# Altium PCB HYDRA_V4_NAV.PcbDoc (part 2 of 2) (continued)
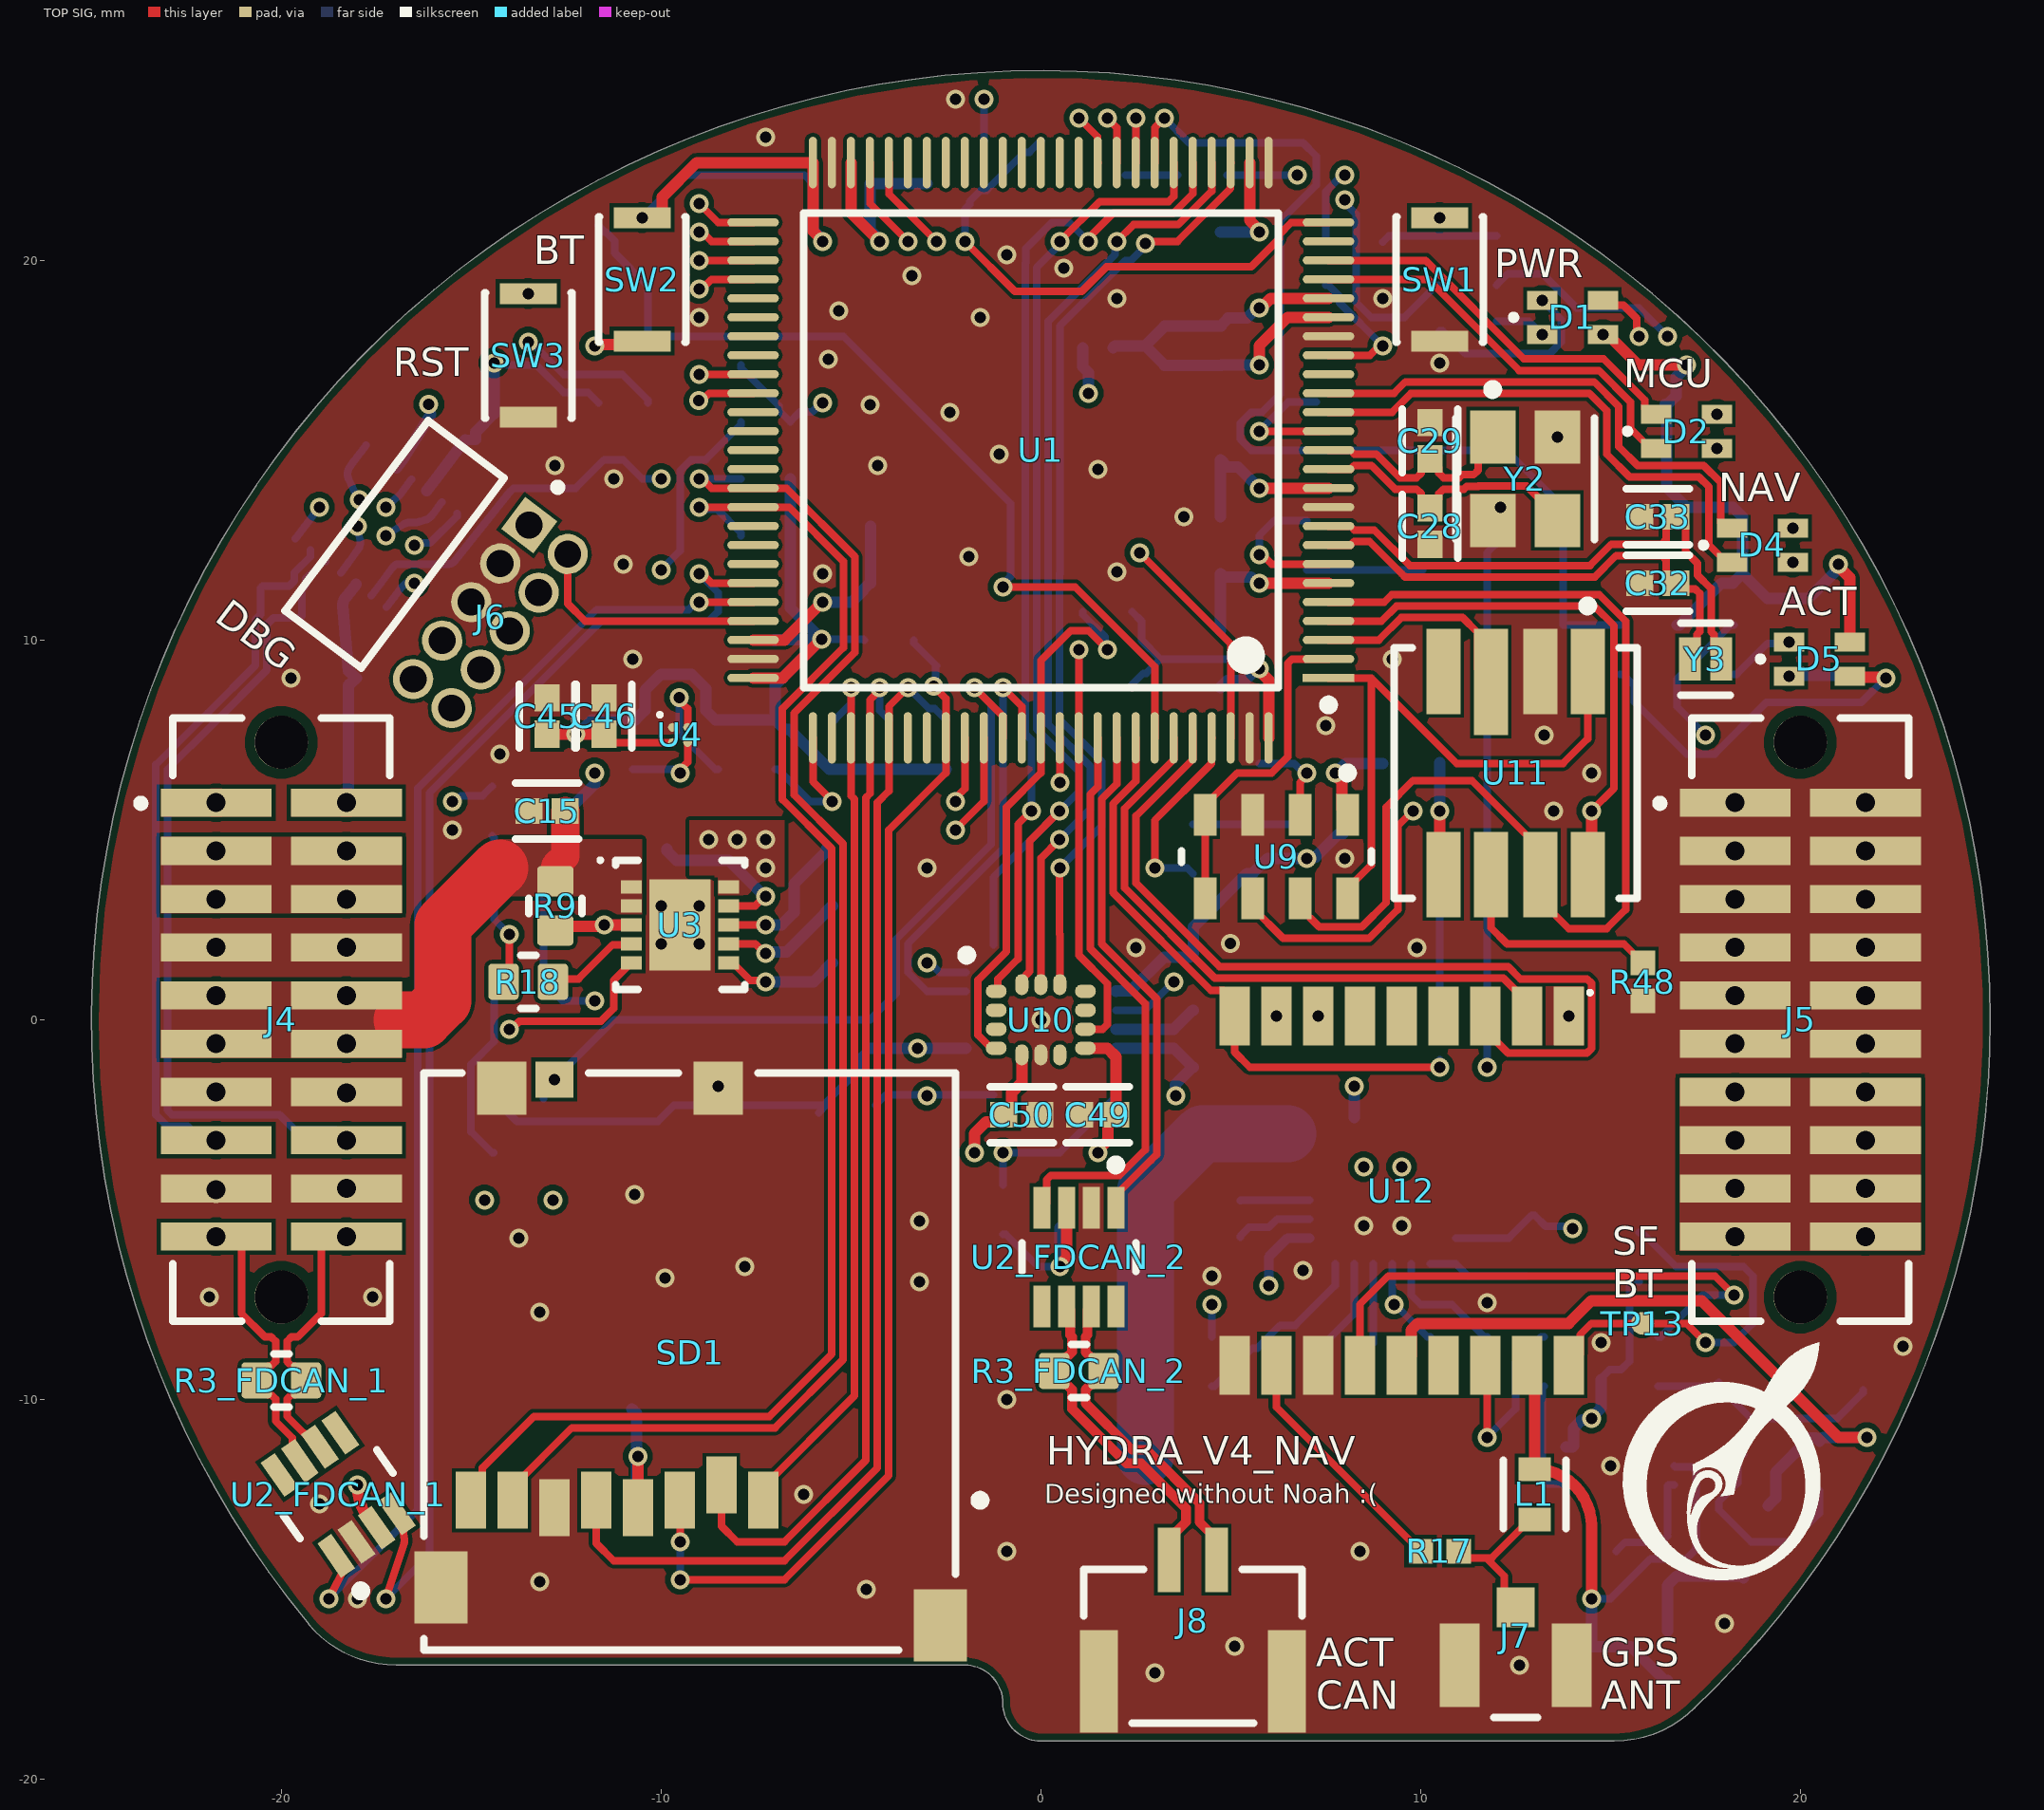
[diagram p0: TOP SIG view]
## Nets (pads, with @x,y where several pads share a name; then routed paths per layer and width w, separated by ;. In a path a pad name is that pad's centre, name@x,y a point inside that pad or via, vN(x,y) a via of type N, cw(c..) or ccw(c..) an arc to the next point about the centre after c; other vN are vias at no path point) (continued)
NetQ10_1: Q10.1 R39.1 R41.1 | length 6.2
  BOTTOM SIG w0.2: R39.1@16.25,-9.65 17.75,-9.65 Q10.1@17.85,-9.55 17.85,-9.65 18.698,-10.498 20.977,-10.498 21.65,-9.825 R41.1@21.65,-9.75
NetQ17_1: Q17.1 R18.1 R20.1 | length 4.1
  TOP SIG w0.2: R18.1@-14.15,1 -14,1.15 v1(-14,2.25)
  BOTTOM SIG w0.2: Q17.1@-14.45,4.85 -14.4,4.8 R20.1@-14.4,3.5 -14.4,2.65 v1(-14,2.25)
NetR7_2: R7.2 U6.9 | length 37.7
  PWR+SIG w0.2: v1(-10,14.25) -9.943,14.307 -9.943,14.557 -6.4,18.1 -6.4,20.7 -5.5,21.6 v1(8,21.6)
  BOTTOM SIG w0.2: U6.9@-17.63,11.166 -17.395,11.476 -17.06,11.92 cw(c-16.9,11.8) -16.9,12 -15.596,12 ccw(c-15.596,12.2) -15.44,12.075 -13.96,13.925 -13.885,14 -12.25,14 -11.5,14.75 -11,14.75 -10.5,14.25 v1(-10,14.25) ; v1(8,21.6) 8,21.519 8.3,21.219 8.3,18.9 8.7,18.5 9.575,18.5 10.425,19.35 R7.2@10.5,19.35
NetR9_2: R9.2 R12.1 U3.3 | length 2.1
  TOP SIG w0.3: R9.2@-12.785,2.35 -12.673,2.462 -11.538,2.462 v1(-11.5,2.5) U3.3@-10.785,2.5
NetR10_2: R10.2 R16.1 U1.25 | length 14.6
  TOP SIG w0.2: v1(-2,20.5) -0.683,19.183 1.083,19.183 1.735,19.835 5.542,19.835 6.277,20.57 6.277,20.68 6.598,21 U1.25@7.575,21
  BOTTOM SIG w0.2: v1(-2,20.5) -2,21.35 -1.875,21.475 -1.875,21.55 -1.575,21.85 -1.425,21.85 -0.425,22.85 -0.3,22.85 R16.1@0,23.15
NetR13_1: R13.1 U3.8 | length 3.9
  TOP SIG w0.2: U3.8@-8.215,2.5 v1(-7.25,2.5)
  BOTTOM SIG w0.3: v1(-7.25,2.5) -6.825,2.5 -6.5,2.825 -6.5,3.575 -5.65,4.425 R13.1@-5.65,4.5
NetR14_1: R14.1 U1.34 U3.9 | length 31
  TOP SIG w0.2: U3.9@-8.215,3 -7.518,3 -7.268,3.25 v1(-7.25,3.25) ; v1(1.75,23.75) 1.75,23.744 2,23.494 U1.34@2,22.575
  GND w0.2: v1(-7.25,3.25) -6.25,3.25 -2.25,7.25 -1,7.25 0,8.25 0,20.707 1.244,21.951 1.244,23.244 v1(1.75,23.75)
  BOTTOM SIG w0.3: R14.1@-9.85,4.5 -9.85,4.448 -9.6,4.198 -8.226,4.198 -7.278,3.25 v1(-7.25,3.25)
NetR21_2: R21.2 R36.1 U1.18 | length 3.8
  TOP SIG w0.2: U1.18@7.575,17.5 8.669,17.5 8.919,17.75 v1(9,17.75)
  BOTTOM SIG w0.2: R21.2@7.5,19.35 7.57,19.35 7.87,19.05 7.87,18.88 v1(9,17.75)
NetR26_1: R26.1 SW2.1 | length 1.3
  TOP SIG w0.3: v1(-11.75,17.75) -11.712,17.788 -10.587,17.788 SW2.1@-10.5,17.875
NetR27_1: R27.1 SW3.1
  other v1: -13.5,19.125
NetR45_1: R45.1 U13.4 | length 3.2
  BOTTOM SIG w0.2: R45.1@13.25,-9.65 13.2,-9.7 13.2,-12.1 13.325,-12.225 13.8,-12.225 U13.4@13.825,-12.25
NetR48_1: R48.1 U11.6 | length 5.8
  TOP SIG w0.2: U11.6@11.85,3.825 11.85,2.426 12.277,1.998 15.125,1.998 15.127,2 15.35,2 R48.1@15.85,1.5
NetR51_2: R51.2 R53.1 U1.32 | length 28
  TOP SIG w0.2: U1.32@3,22.575 3,23.494 3.25,23.744 v1(3.25,23.75)
  BOTTOM SIG w0.2: v1(3.25,23.75) 3.904,23.096 6.904,23.096 7.25,22.75 7.25,21.984 6.3,21.034 6.3,16.477 5.823,16 5.543,16 5.25,15.707 5.25,15.293 5.543,15 12.25,15 13.75,13.5 R53.1@13.75,10.4 R51.2@15.25,10.4
NetR55_2: R55.2 R57.1 U14.12 | length 4.9
  BOTTOM SIG w0.2: R55.2@4.5,-9.65 4.575,-9.65 5.575,-8.65 5.7,-8.65 R57.1@6,-8.35 6.3,-8.05 6.7,-8.05 7.75,-7 U14.12@7.75,-6.425
NetR58_1: R58.1 U14.8 | length 3.3
  BOTTOM SIG w0.2: U14.8@9.75,-6.425 9.75,-7.25 10,-7.5 10.825,-7.5 11.675,-8.35 R58.1@11.75,-8.35
NetR61_1: R61.1 U1.7 | length 3.8
  TOP SIG w0.2: v1(5.75,12.25) 5.831,12.25 6.081,12 U1.7@7.575,12
  BOTTOM SIG w0.2: v1(5.75,12.25) 5.75,12.75 6.15,13.15 R61.1@7,13.15
NetR66_2: R66.2 TP13.1 U12.18 | length 10.7
  TOP SIG w0.2: U12.18@13.9,-9.1 14.2,-8.8 14.2,-8.3 14.5,-8 TP13.1@15.85,-8 17,-8 v1(17.5,-8.5)
  BOTTOM SIG w0.2: R66.2@15.75,-5.6 15.825,-5.6 16.725,-6.5 18.5,-6.5 18.75,-6.75 18.75,-8 18.25,-8.5 v1(17.5,-8.5)
NetR67_2: R67.2 R68.1 U1.35 | length 14.9
  TOP SIG w0.2: v1(1,23.75) 1.498,23.252 1.498,22.578 U1.35@1.5,22.575
  GND w0.2: v1(-5.75,16.25) -5.693,16.307 -5.443,16.307 0.943,22.693 0.943,23.693 v1(1,23.75)
  BOTTOM SIG w0.2: R68.1@-7.9,17.25 -7.9,17.175 -6.9,16.175 -6.9,16.05 R67.2@-6.6,15.75 -6.342,16.008 -6.017,16.008 -5.775,16.25 v1(-5.75,16.25)
NetR82_2: R82.2 U9.2 | length 2.5
  TOP SIG w0.2: U9.2@6.825,5.4 6.825,6.244 7,6.419 v1(7,6.5)
  BOTTOM SIG w0.2: R82.2@5.75,6.75 6.669,6.75 6.919,6.5 v1(7,6.5)
NetU1_17: U1.17
NetU1_24: U1.24
NetU1_36: U1.36
NetU1_37: U1.37
NetU1_38: U1.38
NetU1_39: U1.39
NetU1_40: U1.40
NetU1_41: U1.41
NetU1_42: U1.42
NetU1_43: U1.43
NetU1_44: U1.44
NetU1_45: U1.45
NetU1_51: U1.51 U6.14 | length 16.1
  TOP SIG w0.2: v1(-9,21.5) -8.5,21 U1.51@-7.575,21
  GND w0.2: v1(-19,13.5) -19,13.581 -18.802,13.78 -18.802,13.979 -18.181,14.6 -15.9,14.6 v1(-9,21.5)
  BOTTOM SIG w0.2: U6.14@-19.627,12.671 -19.392,12.98 v1(-19,13.5)
NetU1_52: U1.52 U6.8 | length 18.6
  TOP SIG w0.2: v1(-9,20.75) -8.919,20.75 -8.669,20.5 U1.52@-7.575,20.5
  GND w0.2: v1(-16.5,11.5) -16.419,11.5 -16,11.919 -16,12.367 -13.175,15.192 -8.508,15.192 -7.9,15.8 -7.9,19.65 v1(-9,20.75)
  BOTTOM SIG w0.2: U6.8@-17.23,10.865 -17.025,11.135 -16.84,11.381 ; -16.839,11.381 -16.724,11.497 -16.503,11.497 v1(-16.5,11.5)
NetU1_53: U1.53 U6.6 | length 18
  TOP SIG w0.2: v1(-9,20) U1.53@-7.575,20
  GND w0.2: v1(-17.25,12.75) -17.244,12.75 -16.6,13.394 -15.4,13.394 -13.3,15.494 -8.633,15.494 -8.202,15.925 -8.202,19.202 v1(-9,20)
  BOTTOM SIG w0.2: v1(-17.25,12.75) -16.773,13.053 cw(c-16.613,12.8) -16.613,13.1 -16.449,13.1 ccw(c-16.449,13.4) -16.354,13.115 -16.188,13.171 ccw(c-16.283,13.455) -16.044,13.274 U6.6@-15.773,13.63
NetU1_54: U1.54 U6.11 | length 15.7
  TOP SIG w0.2: v1(-9,19.25) -8.919,19.25 -8.669,19.5 U1.54@-7.575,19.5
  GND w0.2: v1(-18,13) -18.5,13.5 -18.5,13.854 -18.056,14.298 -15.775,14.298 -13.675,16.398 -11.852,16.398 v1(-9,19.25)
  BOTTOM SIG w0.2: U6.11@-18.429,11.768 -18.227,12.04 -17.975,12.394 ccw(c-18.22,12.568) -17.925,12.627 v1(-18,13)
NetU1_55: U1.55
NetU1_56: U1.56
NetU1_57: U1.57
NetU1_58: U1.58
NetU1_59: U1.59 U6.4 | length 13.4
  TOP SIG w0.2: v1(-8.996,16.996) -8.995,16.998 -8.149,16.998 -8.147,17 U1.59@-7.575,17
  GND w0.2: v1(-17.25,13.497) -17.193,13.554 -16.866,13.554 -16.725,13.695 -15.525,13.695 -13.425,15.795 -8.758,15.795 -8.503,16.05 -8.503,16.503 v1(-8.996,16.996)
  BOTTOM SIG w0.2: v1@-17.25,13.5 -16.924,13.779 ccw(c-17.12,14.007) -16.881,13.825 U6.4@-16.571,14.232 ; v1(-17.25,13.497) v1@-17.25,13.5
NetU1_60: U1.60 U6.1 | length 13.2
  TOP SIG w0.2: v1(-9.01,16.303) -8.929,16.303 -8.732,16.5 U1.60@-7.575,16.5
  GND w0.2: v1(-17.948,13.698) -17.867,13.698 -17.569,13.997 -15.65,13.997 -13.55,16.097 -9.277,16.097 -9.071,16.303 v1(-9.01,16.303)
  BOTTOM SIG w0.2: -18.095,14.707 ccw(c-17.855,14.526) -18.105,14.692 -18.207,14.54 ccw(c-17.957,14.373) -18.23,14.249 -18,13.75 v1(-17.948,13.698) ; -18.094,14.707 U6.1@-17.77,15.135
NetU1_61: U1.61
NetU1_62: U1.62
NetU1_63: U1.63
NetU1_64: U1.64
NetU1_67: U1.67
NetU1_68: U1.68
NetU1_69: U1.69
NetU1_70: U1.70 U2_FDCAN_1.4 | length 36.4
  TOP SIG w0.2: v1(-17.25,-15.25) -16.766,-13.797 ccw(c-16.955,-13.734) -16.758,-13.701 -16.8,-13.446 U2_FDCAN_1.4@-16.956,-13.006 ; v1(-9,11.75) -8.919,11.75 -8.669,11.5 U1.70@-7.575,11.5
  BOTTOM SIG w0.2: v1(-17.25,-15.25) -16.1,-14.1 -16.1,5.973 -11.575,10.498 -8.752,10.498 -8.5,10.75 -8.5,11.25 v1(-9,11.75)
NetU1_71: U1.71 U2_FDCAN_1.1 | length 34.4
  TOP SIG w0.2: v1(-18.75,-15.25) -18.397,-14.564 U2_FDCAN_1.1@-18.553,-14.124 ; v1(-9,11) U1.71@-7.575,11
  BOTTOM SIG w0.2: v1(-18.75,-15.25) -16.402,-12.902 -16.402,6.098 -11.7,10.8 -9.267,10.8 -9.067,11 v1(-9,11)
NetU1_77: U1.77
NetU1_81: U1.81
NetU1_82: U1.82
NetU1_91: U1.91 U2_FDCAN_2.4 | length 15.2
  TOP SIG w0.2: U2_FDCAN_2.4@0.025,-4.95 0.15,-4.825 0.15,-4.217 0.267,-4.1 2.073,-4.1 2.75,-3.423 2.75,0.423 1.305,1.869 1.305,5.938 1.5,6.133 U1.91@1.5,7.425
NetU1_92: U1.92 U2_FDCAN_2.1 | length 13.6
  TOP SIG w0.2: U2_FDCAN_2.1@1.975,-4.95 1.975,-4.625 2.9,-3.7 3.052,-3.548 3.052,0.548 1.606,1.994 1.606,5.813 2,6.206 U1.92@2,7.425
NetU2_FDCAN_1_5: U2_FDCAN_1.5
NetU2_FDCAN_1_8: U2_FDCAN_1.8
NetU2_FDCAN_2_5: U2_FDCAN_2.5
NetU2_FDCAN_2_8: U2_FDCAN_2.8
nSHDN: D3.1 R4.1 R8.2 U3.5 | length 9.4
  TOP SIG w0.2: v1(-14,-0.25) -13.938,-0.25 -13.733,-0.044 -11.587,-0.044 -11.25,0.293 -11.25,1.035 U3.5@-10.785,1.5
  BOTTOM SIG w0.2: D3.1@-14.41,-3.5 -14.45,-3.5 -15.002,-2.948 -15.002,-1.177 -14.4,-0.575 R8.2@-14.4,-0.5 R4.1@-14.4,1
PG: R54.2 R60.2 U1.98 U14.13 | length 49.6
  TOP SIG w0.2: v1(2.6,12.3) 5,9.9 U1.98@5,7.425
  GND w0.2: v1(2.6,12.3) 4.9,10 15,10 v1(17.5,7.5)
  PWR+SIG w0.2: v1(6,-7) 6,-3.2 9.497,0.297 12.35,0.297 16.703,4.65 16.703,6.703 v1(17.5,7.5)
  BOTTOM SIG w0.2: v1(17.5,7.5) 16.75,8.25 16.75,8.975 18.175,10.4 R60.2@18.25,10.4
  BOTTOM SIG w0.25: v1(6,-7) 6,-6.25 6.5,-5.75 U14.13@7.075,-5.75
PRE_3V3: C15.1 J1.09 J1.10 J1.11 J1.12 J4.09 J4.10 J4.11 J4.12 R9.1 U3.1 U3.2 | length 7
  TOP SIG w0.75: -12.785,4.05 -12.521,4.314 C15.1@-12.521,5.5
  TOP SIG w1.5: -16.825,0 -16.25,0 -15.75,0.5 -15.75,2.5 -14.25,4
  other v2: -21.715,-0.635 -18.285,-0.633 -21.715,0.635 -18.285,0.635
PRE_5V: F2.1 J1.03 J1.04 J1.05 J1.06 J4.03 J4.04 J4.05 J4.06 | length 10.1
  GND w0.5: v2(-18.285,3.175) -17.195,3.175 -14.65,0.63 v1(-14.65,-4.75)
  other v2: -21.715,3.175 -21.715,4.445 -18.285,4.445
PRE_ZENER_CAN_INH: R4.2 R20.2 U6.7 | length 22.8
  PWR+SIG w0.2: v1@-16.507,12.493 -18.885,10.115 -18.885,5.43 -18.5,5.045 -18.036,5.045 -13.491,0.5 v1(-11.75,0.5)
  BOTTOM SIG w0.2: v1(-16.5,12.5) -16.443,12.557 -16.079,12.557 -15.373,13.263 U6.7@-15.373,13.329 ; R4.2@-13.1,0.925 -12.8,0.625 -12.725,0.625 -12.6,0.5 v1(-11.75,0.5) ; R4.2@-13.1,1 R20.2@-13.1,3.5
PWR_EN: Q2.3 R52.2 R55.1 U14.6 | length 34.3
  PWR+SIG w0.2: v1(4.5,-7.5) 5.3,-8.3 7,-8.3 9.1,-6.2 13.3,-6.2 v1(14,-5.5) 11.75,-3.25 v1(11.75,-1.25)
  BOTTOM SIG w0.2: R55.1@4.5,-8.35 v1(4.5,-7.5) ; U14.6@10.925,-5.75 12.325,-5.75 12.925,-5.15 R52.2@13,-5.15 13.293,-5.443 13.943,-5.443 v1(14,-5.5) ; v1(11.75,-1.25) 11.75,12.3 Q2.3@11.95,12.5
PYRO_PWR: F1.1 J2.13 J2.14 J2.15 J2.16 J2.17 J2.18 J2.19 J2.20 J5.13 J5.14 J5.15 J5.16 J5.17 J5.18 J5.19 J5.20
  other v2: 18.285,-5.715 21.715,-5.715 18.285,-4.445 21.715,-4.445 18.285,-3.175 21.715,-3.175 18.285,-1.905 21.715,-1.905
RESETN: C31.1 J6.10 R27.2 R29.1 U1.14 | length 44
  TOP SIG w0.2: v1(5.75,15.5) U1.14@7.575,15.5
  PWR+SIG w0.2: J6.10@-15.514,8.207 -15.532,8.19 -16.94,8.19 -17.376,8.626 -17.376,9.624 -15.9,11.1 -15.9,12.35 -14.95,13.3 -14.95,17.65 -14.75,17.85 -12.75,17.85 -10.5,15.6 -10.5,14.043 -10.207,13.75 -9.793,13.75 -9.5,14.043 -9.5,14.573 -8.573,15.5 v1(5.75,15.5)
  BOTTOM SIG w0.2: v1(-13.5,17.85) -13.425,17.85 -13.125,17.55 -12.575,17 -11.025,17 -10.35,16.325 R29.1@-10.35,16.25 ; v1(5.75,15.5) 6.521,16.271 C31.1@7.25,16.271
RF_IN: R17.2 U12.11 | length 6.5
  TOP SIG w0.199: U12.11@6.2,-9.1 6.2,-10.2 R17.2@10,-14
RXD: U1.96 U12.3 | length 22.9
  TOP SIG w0.2: U1.96@4,7.6 4,6.853 2.511,5.364 2.511,3.592 4.703,1.4 12.302,1.4 12.625,1.077 14.384,1.077 14.502,0.959 14.502,-0.759 14.384,-0.877 12.302,-0.877 11.7,-0.275 U12.3@11.7,0.1
SD_CD: R35.2 SD1.9 U1.86 | length 21
  TOP SIG w0.2: v1(-1.75,8.75) -1.75,8.748 -1,7.998 U1.86@-1,7.425
  BOTTOM SIG w0.2: R35.2@-13.1,-2.075 R35.2@-13.1,-2 R35.2@-13.087,-1.987 ; v1(-12.81,-1.575) -11.235,0 -4.5,0 -3.802,0.698 -3.802,2.125 -1.302,4.625 -1.302,8.302 v1(-1.75,8.75)
SD_CLK: R24.2 SD1.5 U1.80 | length 32
  TOP SIG w0.2: SD1.5@-11.71,-12.66 -11.71,-13.79 -11.25,-14.25 -6.75,-14.25 -4.303,-11.803 -4.303,5.723 -4,6.027 U1.80@-4,7.425 -4,8.25 v1(-3.5,8.75)
  BOTTOM SIG w0.2: v1(-3.5,8.75) -2.95,8.2 -2.8,8.2 R24.2@-2.5,7.9
SD_CMD: R23.2 SD1.3 U1.83 | length 31.8
  TOP SIG w0.2: SD1.3@-9.51,-12.66 -9.5,-12.67 v1(-9.5,-13.75) ; v1(-9.5,-14.75) -6.75,-14.75 -4.002,-12.002 -4.002,4.998 -2.5,6.5 -2.5,8.457 v1(-2.821,8.779)
  BOTTOM SIG w0.2: v1(-9.5,-14.75) v1(-9.5,-13.75) ; R23.2@-3.35,10 -3.35,9.925 -2.75,9.325 -2.764,9.311 -2.764,8.836 v1(-2.821,8.779)
SD_DAT0: R31.2 SD1.7 U1.65 | length 38.8
  TOP SIG w0.2: SD1.7@-13.91,-12.66 -13.91,-12.31 -12.35,-10.75 -7,-10.75 -5.208,-8.958 -5.208,4.635 -6.5,5.927 -6.5,8.073 -4.898,9.675 -4.898,12.198 -6.7,14 U1.65@-7.575,14 -8.669,14 -8.919,14.25 v1(-9,14.25)
  BOTTOM SIG w0.2: v1(-9,14.25) R31.2@-7.9,14.25
SD_DAT1: R32.2 SD1.8 U1.66 | length 39.3
  TOP SIG w0.2: SD1.8@-15.01,-12.66 -14.71,-12.36 -14.71,-11.81 -13.348,-10.448 -7.148,-10.448 -5.51,-8.81 -5.51,4.51 -6.802,5.802 -6.802,8.198 -5.2,9.8 -5.2,12.073 -6.627,13.5 U1.66@-7.575,13.5 v1(-9,13.5)
  BOTTOM SIG w0.2: v1(-9,13.5) -8.943,13.443 -8.518,13.443 -7.9,12.825 R32.2@-7.9,12.75
SD_DAT2: R33.2 SD1.1 U1.78 | length 23.5
  TOP SIG w0.2: SD1.1@-7.31,-12.66 -7.31,-12.31 -4.906,-9.906 -4.906,5.806 -5,5.9 U1.78@-5,7.425 v1(-5,8.75)
  BOTTOM SIG w0.2: R33.2@-5.5,7.9 -5.425,7.9 -5,8.325 v1(-5,8.75)
SD_DAT3: R34.2 SD1.2 U1.79 | length 27.4
  TOP SIG w0.2: SD1.2@-8.41,-12.26 -8.41,-13.34 -8,-13.75 -6.75,-13.75 -4.605,-11.605 -4.605,5.848 -4.5,5.953 U1.79@-4.5,7.425 -4.5,8.419 -4.25,8.669 v1(-4.25,8.75)
  BOTTOM SIG w0.2: v1(-4.25,8.75) -4.25,8.15 R34.2@-4,7.9
SWCLK: J6.04 R2.2 U1.76 | length 13.7
  TOP SIG w0.2: U1.76@-6,7.425 -6,6.267 -5.5,5.767 v1(-5.5,5.75)
  PWR+SIG w0.2: J6.04@-13.221,11.25 -11,11.25 v1(-5.5,5.75)
  BOTTOM SIG w0.2: R2.2@-7,6.6 -6.925,6.6 -6.075,5.75 v1(-5.5,5.75)
SWDIO: J6.02 U1.72 | length 6.4
  TOP SIG w0.2: J6.02@-12.457,12.264 -12.457,10.957 -12,10.5 U1.72@-7.575,10.5
SWO: J6.06 U1.89 | length 18.8
  TOP SIG w0.2: v1(0.5,6.25) U1.89@0.5,7.425
  PWR+SIG w0.2: J6.06@-13.986,10.236 -10.486,10.236 -6,5.75 -6,5.5 -5.75,5.25 -5.25,5.25 -3.6,6.9 -1.7,6.9 -1.05,6.25 v1(0.5,6.25)
TCAN1146_5V: C22.1 F2.2 R10.1 U6.3 | length 48.1
  GND w0.2: v1(-16.118,16.212) -16.118,16.289 -14.057,18.35 -12.6,18.35 -11,19.95 -11,21.332 -10.332,22 -3.75,22 v1(-1.5,24.25)
  GND w0.5: v1(-16.118,16.212) -17.207,16.212 -19.65,13.769 -19.65,11.71 -19.1,11.16 -19.1,9.1 -16.75,6.75 -16.75,3.75 -13.35,0.35 -13.35,-0.85 -13.75,-1.25 -13.75,-3.85 v1(-12.85,-4.75)
  BOTTOM SIG w0.2: R10.1@-1.5,23.15 v1(-1.5,24.25)
  BOTTOM SIG w0.3: U6.3@-16.971,14.533 -16.769,14.805 -16.064,15.938 v1(-16.118,16.212)
TCAN1146_VSUP: C24.1 J1.01 J1.02 J4.01 J4.02 Q17.2 R6.2 R67.1 U6.10 | length 81.1
  GND w0.2: v1(-15.5,5.75) -14.793,5.75 -11.25,9.293 -11.25,10.6 v1(-10,11.85)
  PWR+SIG w0.2: v2(-18.285,5.715) -18.267,5.733 -15.518,5.733 -15.5,5.715 -11.615,5.715 -11.198,5.298 -6.698,5.298 -6,4.6 -5,4.6 -3.303,6.297 -1.95,6.297 -1.1,5.447 -1.1,3.5 2.252,0.148 3.948,0.148 4.4,0.6 7.507,0.6 7.509,0.598 12.225,0.598 16.402,4.775 16.402,17.733 16.443,17.774 16.443,17.943 v1(16.5,18)
  BOTTOM SIG w0.2: v1(-15.5,5.75) -15.419,5.75 -15.269,5.9 -14.7,5.9 Q17.2@-14.45,6.15 ; v1(-10,11.85) -9.5,12.35 -9.5,14.457 -9.207,14.75 -8.825,14.75 -7.9,15.675 R67.1@-7.9,15.75 ; R6.2@12,19.35 12.3,19.65 13.207,19.65 14.107,18.75 15.75,18.75 v1(16.5,18)
  BOTTOM SIG w0.3: v2(-18.285,5.715) -18.229,5.935 -18.229,8.814 C24.1@-18.021,9 -18.229,9.186 -18.379,10.895 cw(c-18.08,10.921) -18.315,11.108 U6.10@-18.029,11.467
  other v2: -21.715,5.715
TXD: U1.95 U12.2 | length 16.7
  TOP SIG w0.2: U1.95@3.5,7.425 3.5,6.853 2.21,5.563 2.21,3.467 4.578,1.098 12.177,1.098 12.8,0.475 U12.2@12.8,0.1
VCC_RF: Q9.2 R37.1 U12.14 | length 18.6
  TOP SIG w0.3: U12.14@9.5,-9.1 9.75,-8.85 9.75,-8.176 9.926,-8 13.9,-8 14.5,-7.4 17.4,-7.4 21,-11 v1(21.75,-11)
  BOTTOM SIG w0.3: Q9.2@19.15,-12.8 19.35,-12.6 19.35,-11.925 20.256,-11.019 20.419,-11.019 R37.1@20.5,-11.1 20.6,-11 v1(21.75,-11)
VDDA: C10.1 C11.1 C20.1 C21.1 FB1.2 U1.20 U1.21 | length 12.1
  TOP SIG w0.3: v1(5.75,17.25) 5.75,17.75 6.5,18.5 U1.20@7.575,18.5 ; v1(5.75,18.75) 5.804,18.75 6.054,19 U1.21@7.575,19
  BOTTOM SIG w0.3: FB1.2@1.9,17.7 1.95,17.75 2.75,17.75 ; v1(5.75,17.25) 5.739,17.239 4.761,17.239 C21.1@4.75,17.229 C20.1@3.25,17.229 3.25,17.25 2.75,17.75 ; v1(5.75,18.75) 5.696,18.75 5.425,18.479 4.936,18.479 4.75,18.293 C11.1@4.75,18.271 C10.1@3.25,18.271 3.25,18.25 2.75,17.75
X32_N: C33.1 U1.9 Y3.2 | length 14.6
  TOP SIG w0.2: U1.9@7.575,13 8.15,13 8.249,12.901 8.776,12.901 9.714,11.962 14.462,11.962 15.026,12.526 16.354,12.526 16.471,12.643 16.471,13.014 16.707,13.25 C33.1@16.729,13.25 16.75,13.25 16.986,13.014 16.986,12.329 17.296,12.019 17.296,11.707 17.651,11.352 17.651,10.218 17.725,10.144 17.725,9.687 Y3.2@17.913,9.5
X32_P: C32.1 U1.8 Y3.1 | length 13.1
  TOP SIG w0.2: U1.8@7.575,12.5 8.15,12.5 8.249,12.599 8.651,12.599 9.5,11.75 9.589,11.661 14.587,11.661 15.151,12.224 16.354,12.224 16.471,12.107 16.471,11.736 16.707,11.5 C32.1@16.729,11.5 16.848,11.619 16.848,11.482 16.986,11.344 17.232,11.344 17.349,11.227 17.349,10.218 17.275,10.144 17.275,9.687 Y3.1@17.087,9.5
X_N: C29.1 U1.13 Y2.1 | length 5.9
  TOP SIG w0.2: U1.13@7.575,15 8.15,15 8.249,14.901 8.829,14.901 9.454,14.276 9.897,14.276 10.014,14.393 10.014,14.535 C29.1@10.25,14.771 10.486,14.535 10.486,14.393 10.603,14.276 11.014,14.276 11.092,14.353 11.397,14.353 11.514,14.47 11.514,14.964 Y2.1@11.9,15.35
X_P: C28.1 U1.12 Y2.3 | length 7.4
  TOP SIG w0.2: U1.12@7.575,14.5 8.15,14.5 8.249,14.599 8.704,14.599 9.329,13.974 9.897,13.974 10.014,13.857 10.014,13.715 C28.1@10.25,13.479 10.486,13.715 10.486,13.857 10.603,13.974 11.139,13.974 11.216,14.052 11.522,14.052 11.527,14.057 12.793,14.057 13.6,13.25 Y2.3@13.6,13.15
pads on no net: J1. J2. J4. J5. J6.07 J6.08 J6.09 U8.6 U8.13 U8.19 U8.21 U10.2 U10.3 U10.7 U10.10 U10.11 U11.4 U12.4 U12.5 U12.6 U12.15 U13.1

## Polygon pours and split planes (outlines as drawn)
GND on TOP SIG "GND_L01_P023" (solid, remove dead copper, pour order 23): -16.98,-17 -1.95,-17 -2,-17 cw(c-2,-18) -1,-18 ccw(c0,-18) 0,-19 15.1,-19 ccw(c15.1,-16) 17.221,-18.121 17.166,-18.175 ccw(c0,0) 25,0 ccw(c0,0) -19.273,-15.924 -19.278,-15.928 ccw(c-16.98,-14)
3V3 on TOP SIG "3V3_L01_P022" (solid, remove dead copper, pour order 22): -7.75,3.25 -7.5,3.5 -6.75,3.5 -6.75,5.25 -9.25,5.25 -9.25,3.75 -8.5,3.75 -8.5,3.25
TCAN1146_VSUP on TOP SIG "TCAN1146_VSUP_L01_P030" (solid, remove dead copper, pour order 30): -23.175,6.085 -23.175,5.345 -16.825,5.345 -16.825,6.085
PYRO_PWR on TOP SIG "PYRO_PWR_L01_P000" (solid, remove dead copper, pour order 0): 16.825,-1.535 16.825,-6.085 23.175,-6.085 23.175,-1.535
PRE_5V on TOP SIG "PRE_5V_L01_P002" (solid, remove dead copper, pour order 2): -23.175,4.815 -23.175,2.805 -16.825,2.805 -16.825,4.815
PRE_3V3 on TOP SIG "PRE_3V3_L01_P021" (solid, remove dead copper, pour order 21): -14.25,4.75 -10.5,4.75 -10.5,2.75 -12,2.75 -12,3.25 -14.25,3.25
PRE_3V3 on TOP SIG "PRE_3V3_L01_P018" (solid, remove dead copper, pour order 18): -23.175,1.005 -23.175,-1.005 -16.825,-1.005 -16.825,1.005
GND on BOTTOM SIG "GND_L04_P031" (solid, remove dead copper, pour order 31): -16.98,-17 -1.95,-17 -2,-17 cw(c-2,-18) -1,-18 ccw(c0,-18) 0,-19 15.1,-19 ccw(c15.1,-16) 17.221,-18.121 17.166,-18.175 ccw(c0,0) 25,0 ccw(c0,0) -19.273,-15.924 -19.278,-15.928 ccw(c-16.98,-14)
NetC51_1 on BOTTOM SIG "NETC51_1_L04_P014" (solid, remove dead copper, pour order 14): 13.75,-4.5 13.75,-5 16.25,-5 16.25,-3 7.5,-3 7.5,-4 6.5,-4 6.5,-4.5
PRE_3V3 on BOTTOM SIG "PRE_3V3_L04_P012" (solid, remove dead copper, pour order 12): -23.175,1.005 -23.175,-1.005 -16.825,-1.005 -16.825,1.005
PYRO_PWR on BOTTOM SIG "PYRO_PWR_L04_P003" (solid, remove dead copper, pour order 3): 16.25,-3 13.75,-3 13.75,-1 22.75,-1 22.75,-6.25 16.25,-6.25
PRE_5V on BOTTOM SIG "PRE_5V_L04_P011" (solid, remove dead copper, pour order 11): -23.175,4.815 -23.175,2.805 -16.825,2.805 -16.825,4.815
TCAN1146_VSUP on BOTTOM SIG "TCAN1146_VSUP_L04_P013" (solid, remove dead copper, pour order 13): -23.175,6.085 -23.175,5.345 -16.825,5.345 -16.825,6.085
GPS_PWR on BOTTOM SIG "GPS_PWR_L04_P029" (solid, remove dead copper, pour order 29): 5.75,1 5.75,-0.75 8.5,-0.75 8.5,3.75 6.5,3.75 6.5,1
ACT_PWR on BOTTOM SIG "ACT_PWR_L04_P028" (solid, remove dead copper, pour order 28): 6.25,-12.25 6.25,-10.25 2,-10.25 2,-12.25
ACT_PWR on BOTTOM SIG "ACT_PWR_L04_P017" (solid, remove dead copper, pour order 17): 10.5,-2 10.5,-3 7.5,-3 7.5,-4 6.5,-4 6.5,-2
GND on PWR+SIG "GND_L03_P038" (solid, remove dead copper, pour order 38): -16.98,-17 -1.95,-17 -2,-17 cw(c-2,-18) -1,-18 ccw(c0,-18) 0,-19 15.1,-19 ccw(c15.1,-16) 17.221,-18.121 17.166,-18.175 ccw(c0,0) 25,0 ccw(c0,0) -19.273,-15.924 -19.278,-15.928 ccw(c-16.98,-14)
PRE_3V3 on PWR+SIG "PRE_3V3_L03_P020" (solid, remove dead copper, pour order 20): -23.175,1.005 -23.175,-1.005 -16.825,-1.005 -16.825,1.005
PRE_5V on PWR+SIG "PRE_5V_L03_P016" (solid, remove dead copper, pour order 16): -23.175,4.815 -23.175,2.805 -16.825,2.805 -16.825,4.815
TCAN1146_VSUP on PWR+SIG "TCAN1146_VSUP_L03_P032" (solid, remove dead copper, pour order 32): -23.175,6.085 -23.175,5.345 -16.825,5.345 -16.825,6.085
PYRO_PWR on PWR+SIG "PYRO_PWR_L03_P007" (solid, remove dead copper, pour order 7): 16.825,-1.535 16.825,-6.085 23.175,-6.085 23.175,-1.535
3V3 on PWR+SIG "3V3_L03_P035" (solid, remove dead copper, pour order 35): -9,5 -7,5 -7,3.5 -9,3.5
GND on GND "GND_L02_P039" (solid, remove dead copper, pour order 39): -16.98,-17 -1.95,-17 -2,-17 cw(c-2,-18) -1,-18 ccw(c0,-18) 0,-19 15.1,-19 ccw(c15.1,-16) 17.221,-18.121 17.166,-18.175 ccw(c0,0) 25,0 ccw(c0,0) -19.273,-15.924 -19.278,-15.928 ccw(c-16.98,-14)
PRE_5V on GND "PRE_5V_L02_P019" (solid, remove dead copper, pour order 19): -23.175,4.815 -23.175,2.805 -16.825,2.805 -16.825,4.815
PYRO_PWR on GND "PYRO_PWR_L02_P036" (solid, remove dead copper, pour order 36): 16.825,-1.535 16.825,-6.085 23.175,-6.085 23.175,-1.535
PRE_3V3 on GND "PRE_3V3_L02_P034" (solid, remove dead copper, pour order 34): -23.175,1.005 -23.175,-1.005 -16.825,-1.005 -16.825,1.005
TCAN1146_VSUP on GND "TCAN1146_VSUP_L02_P015" (solid, remove dead copper, pour order 15): -23.175,6.085 -23.175,5.345 -16.825,5.345 -16.825,6.085
3V3 on GND "3V3_L02_P037" (solid, remove dead copper, pour order 37): -9.25,5.25 -6.75,5.25 -6.75,3.5 -9.25,3.5

## Silkscreen, mask and mechanical layers (free items; w line width, h text height)
Top Overlay:
  region: 980 vertices and 2 holes, not listed, extent 15.33,-14.765 20.53,-8.499
  text "BT" at -13.35,19.9 h0.75
  text "PWR" at 11.95,19.55 h0.75
  text "RST" at -17.05,16.95 h0.75
  text "MCU" at 15.35,16.65 h0.75
  text "NAV" at 17.85,13.65 h0.75
  text "ACT" at 19.45,10.65 h0.75
  text "DBG" at -21.79,10.53 h0.75 r323
  text "SF / BT" at 15.05,-7.325 h0.75
  text "HYDRA_V4_NAV" at 0.15,-11.725 h0.75
  text "Designed without Noah :(" at 0.1,-12.733 h0.5
  text "ACT / CAN" at 7.25,-18.155 h0.75
  text "GPS / ANT" at 14.75,-18.155 h0.75
Bottom Overlay:
  text "ACT PWR / PROT" at 16.899,-0.75 h0.75
  text "ACT PWR" at 8.999,-18.35 h0.75
Mechanical 1:
  lines w0.15: -19.278,-15.928 ccw(c-16.98,-14) -16.98,-17 ; -19.273,-15.924 cw(c0,0) 25,0 cw(c0,0) 17.166,-18.175 ; -17,-17 -1.95,-17 ; -2,-17 cw(c-2,-18) -1,-18 ccw(c0,-18) 0,-19 15.1,-19 ccw(c15.1,-16) 17.221,-18.121

## Text inside footprints (layer, text, board x,y; h text height)
U6: Bottom Overlay "*" at -17.568,15.699 h1.27 r53; Bottom 3D Body "*" at -17.543,14.273 h1.27 r53